# KiCad board pcb.kicad_pcb (continued)
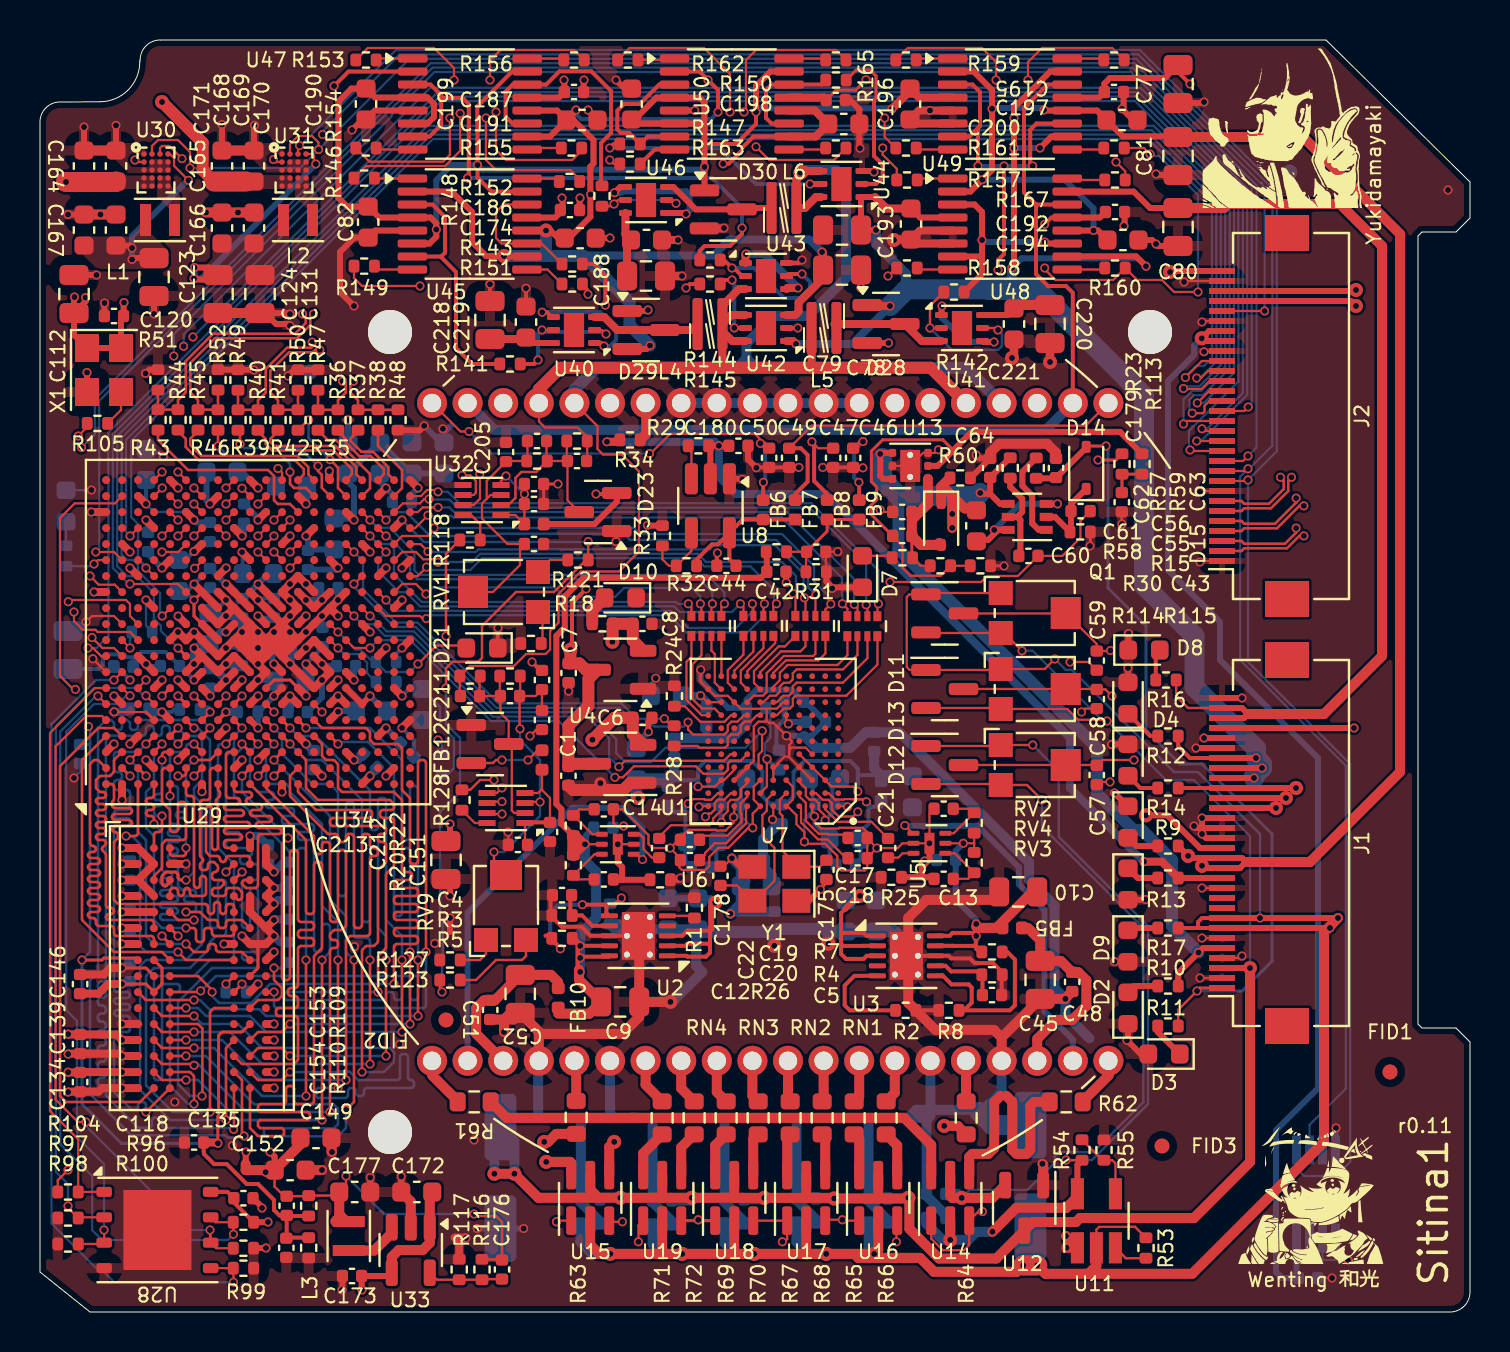
[diagram p0: board, top side]
## Routing (per net, layer and track width the routed paths; a pad name or vN(x,y) marks a point on that pad's centre or on a via; arc(x,y) is an arc through that point) (continued)
  Bottom w0.15: v1(9.69,9.13) 9.69,9.22 9.69,9.23
/fpga_ddr/DRAM_BA0: length 41.4
  Top w0.127: v1(16.5,12.4) v1(16.5,17.6) ; 5.7,14.4 6.07,14.03 arc(6.1,14.01) 6.14,14 v1(7.7,14)
  Top w0.15: v1(11.7,29.2) 11.3,29.6
  Bottom w0.127: v1(11.7,29.2) 12.07,28.83 arc(12.09,28.8) 12.1,28.76 12.1,27.92 13.62,26.4 14.46,26.4 arc(14.5,26.39) 14.53,26.37 14.87,26.03 arc(14.89,26) 14.9,25.96 14.9,20.94 arc(14.91,20.9) 14.93,20.87 14.97,20.83 arc(15,20.81) 15.04,20.8 15.16,20.8 arc(15.2,20.81) 15.23,20.83 15.27,20.87 arc(15.29,20.9) 15.3,20.94 15.3,25.36 arc(15.31,25.4) 15.33,25.43 15.37,25.47 arc(15.4,25.49) 15.44,25.5 15.56,25.5 arc(15.6,25.49) 15.63,25.47 15.67,25.43 arc(15.69,25.4) 15.7,25.36 15.7,18.84 arc(15.71,18.8) 15.73,18.77 15.77,18.73 arc(15.8,18.71) 15.84,18.7 16.36,18.7 arc(16.4,18.69) 16.43,18.67 16.47,18.63 arc(16.49,18.6) 16.5,18.56 v1(16.5,17.6) ; v1(7.7,14) 9.46,14 arc(9.5,13.99) 9.53,13.97 11.07,12.43 arc(11.1,12.41) 11.14,12.4 v1(16.5,12.4)
/fpga_ddr/DRAM_BA1: length 32.4
  Top w0.127: 10.5,13.6 10.87,13.97 arc(10.9,13.99) 10.94,14 12.06,14 arc(12.1,14.01) 12.13,14.03 v1(12.5,14.4) ; v1(18.5,14.4) v1(18.5,18)
  Top w0.15: 14.5,28.8 v1(14.9,28.4)
  Bottom w0.127: v1(18.5,18) 18.5,23.06 arc(18.49,23.1) 18.47,23.13 18.43,23.17 arc(18.4,23.19) 18.36,23.2 18.24,23.2 arc(18.2,23.19) 18.17,23.17 18.13,23.13 arc(18.11,23.1) 18.1,23.06 18.1,19.94 arc(18.09,19.9) 18.07,19.87 18.03,19.83 arc(18,19.81) 17.96,19.8 17.84,19.8 arc(17.8,19.81) 17.77,19.83 17.73,19.87 arc(17.71,19.9) 17.7,19.94 17.7,27.2 16.4,28.5 15,28.5 v1(14.9,28.4) ; v1(18.5,14.4) v1(12.5,14.4)
/fpga_ddr/DRAM_BA2: length 38.2
  Top w0.127: 6.5,14.4 7.9,14.4 8.12,14.18 8.12,10.82 v1(8.1,10.8)
  Top w0.15: 9.7,29.6 v1(10.1,29.2)
  Bottom w0.127: v1(8.1,10.8) 7.54,10.8 arc(7.5,10.81) 7.47,10.83 6.93,11.37 arc(6.91,11.4) 6.9,11.44 6.9,15.5 8.6,17.2 10.76,17.2 arc(10.8,17.21) 10.83,17.23 10.87,17.27 arc(10.89,17.3) 10.9,17.34 10.9,17.46 arc(10.89,17.5) 10.87,17.53 10.83,17.57 arc(10.8,17.59) 10.76,17.6 10.24,17.6 arc(10.2,17.61) 10.17,17.63 10.13,17.67 arc(10.11,17.7) 10.1,17.74 10.1,17.86 arc(10.11,17.9) 10.13,17.93 10.17,17.97 arc(10.2,17.99) 10.24,18 10.76,18 arc(10.8,18.01) 10.83,18.03 10.87,18.07 arc(10.89,18.1) 10.9,18.14 10.9,21.06 arc(10.89,21.1) 10.87,21.13 10.83,21.17 arc(10.8,21.19) 10.76,21.2 10.64,21.2 arc(10.6,21.19) 10.57,21.17 10.53,21.13 arc(10.51,21.1) 10.5,21.06 10.5,19.34 arc(10.49,19.3) 10.47,19.27 10.43,19.23 arc(10.4,19.21) 10.36,19.2 10.24,19.2 arc(10.2,19.21) 10.17,19.23 10.13,19.27 arc(10.11,19.3) 10.1,19.34 10.1,21.46 arc(10.11,21.5) 10.13,21.53 10.17,21.57 arc(10.2,21.59) 10.24,21.6 10.76,21.6 arc(10.8,21.61) 10.83,21.63 10.87,21.67 arc(10.89,21.7) 10.9,21.74 10.9,22.26 arc(10.89,22.3) 10.87,22.33 10.83,22.37 arc(10.8,22.39) 10.76,22.4 10.14,22.4 arc(10.1,22.41) 10.07,22.43 10.03,22.47 arc(10.01,22.5) 10,22.54 10,22.66 arc(10.01,22.7) 10.03,22.73 10.07,22.77 arc(10.1,22.79) 10.14,22.8 10.46,22.8 arc(10.5,22.81) 10.53,22.83 10.57,22.87 arc(10.59,22.9) 10.6,22.94 10.6,23.06 arc(10.59,23.1) 10.57,23.13 10.53,23.17 arc(10.5,23.19) 10.46,23.2 9.44,23.2 arc(9.4,23.21) 9.37,23.23 9.33,23.27 arc(9.31,23.3) 9.3,23.34 9.3,23.46 arc(9.31,23.5) 9.33,23.53 9.37,23.57 arc(9.4,23.59) 9.44,23.6 9.86,23.6 arc(9.9,23.61) 9.93,23.63 9.97,23.67 arc(9.99,23.7) 10,23.74 10,23.86 arc(9.99,23.9) 9.97,23.93 9.93,23.97 arc(9.9,23.99) 9.86,24 9.44,24 arc(9.4,24.01) 9.37,24.03 9.33,24.07 arc(9.31,24.1) 9.3,24.14 9.3,27.76 arc(9.31,27.8) 9.33,27.83 9.67,28.17 arc(9.69,28.2) 9.7,28.24 9.7,28.76 arc(9.71,28.8) 9.73,28.83 v1(10.1,29.2)
/fpga_ddr/DRAM_CASB: length 40.7
  Top w0.127: 6.5,16 7.98,16 v1(8.03,16.06) ; 13.7,29.6 14.07,29.23 arc(14.1,29.21) 14.14,29.2 16.26,29.2 arc(16.3,29.19) 16.33,29.17 16.47,29.03 arc(16.49,29) 16.5,28.96 16.5,28.64 arc(16.51,28.6) 16.53,28.57 16.67,28.43 arc(16.7,28.41) 16.74,28.4 17.86,28.4 arc(17.9,28.39) 17.93,28.37 18.07,28.23 arc(18.09,28.2) 18.1,28.16 18.1,26.14 arc(18.11,26.1) 18.13,26.07 18.47,25.73 arc(18.49,25.7) 18.5,25.66 18.5,22.54 arc(18.51,22.5) 18.53,22.47 18.57,22.43 arc(18.6,22.41) 18.64,22.4 18.76,22.4 arc(18.8,22.41) 18.83,22.43 18.87,22.47 arc(18.89,22.5) 18.9,22.54 18.9,27.46 arc(18.91,27.5) 18.93,27.53 18.97,27.57 arc(19,27.59) 19.04,27.6 19.16,27.6 arc(19.2,27.59) 19.23,27.57 19.27,27.53 arc(19.29,27.5) 19.3,27.46 v1(19.3,18)
  Bottom w0.127: v1(19.3,18) 19.3,16.94 arc(19.29,16.9) 19.27,16.87 19.23,16.83 arc(19.2,16.81) 19.16,16.8 8.8,16.8 8.06,16.06 v1(8.03,16.06)
/fpga_ddr/DRAM_CKE: length 41.5
  Top w0.127: 12.9,28 13.27,27.63 arc(13.29,27.6) 13.3,27.56 13.3,26.24 arc(13.31,26.2) 13.33,26.17 13.87,25.63 arc(13.9,25.61) 13.94,25.6 17.46,25.6 arc(17.5,25.59) 17.53,25.57 17.67,25.43 arc(17.69,25.4) 17.7,25.36 17.7,25.24 arc(17.69,25.2) 17.67,25.17 17.63,25.13 arc(17.6,25.11) 17.56,25.1 17.14,25.1 arc(17.1,25.09) 17.07,25.07 17.03,25.03 arc(17.01,25) 17,24.96 17,24.84 arc(17.01,24.8) 17.03,24.77 17.07,24.73 arc(17.1,24.71) 17.14,24.7 17.56,24.7 arc(17.6,24.69) 17.63,24.67 17.67,24.63 arc(17.69,24.6) 17.7,24.56 17.7,22.34 arc(17.69,22.3) 17.67,22.27 17.33,21.93 arc(17.31,21.9) 17.3,21.86 17.3,18.24 arc(17.29,18.2) 17.27,18.17 16.93,17.83 arc(16.91,17.8) 16.9,17.76 v1(16.9,16)
  Top w0.15: 11.3,16 v1(11.7,16)
  Bottom w0.127: v1(11.7,16) 11.7,15.34 arc(11.71,15.3) 11.73,15.27 11.77,15.23 arc(11.8,15.21) 11.84,15.2 19.16,15.2 arc(19.2,15.21) 19.23,15.23 19.27,15.27 arc(19.29,15.3) 19.3,15.34 19.3,16.16 arc(19.29,16.2) 19.27,16.23 19.23,16.27 arc(19.2,16.29) 19.16,16.3 19.04,16.3 arc(19,16.29) 18.97,16.27 18.93,16.23 arc(18.91,16.2) 18.9,16.16 18.9,15.74 arc(18.89,15.7) 18.87,15.67 18.83,15.63 arc(18.8,15.61) 18.76,15.6 18.64,15.6 arc(18.6,15.61) 18.57,15.63 18.53,15.67 arc(18.51,15.7) 18.5,15.74 18.5,16.16 arc(18.49,16.2) 18.47,16.23 18.43,16.27 arc(18.4,16.29) 18.36,16.3 18.24,16.3 arc(18.2,16.29) 18.17,16.27 18.13,16.23 arc(18.11,16.2) 18.1,16.16 18.1,15.74 arc(18.09,15.7) 18.07,15.67 18.03,15.63 arc(18,15.61) 17.96,15.6 17.84,15.6 arc(17.8,15.61) 17.77,15.63 17.73,15.67 arc(17.71,15.7) 17.7,15.74 17.7,15.86 arc(17.69,15.9) 17.67,15.93 17.63,15.97 arc(17.6,15.99) 17.56,16 17.44,16 arc(17.4,15.99) 17.37,15.97 17.33,15.93 arc(17.31,15.9) 17.3,15.86 17.3,15.74 arc(17.29,15.7) 17.27,15.67 17.23,15.63 arc(17.2,15.61) 17.16,15.6 12.34,15.6 arc(12.3,15.61) 12.27,15.63 12.23,15.67 arc(12.21,15.7) 12.2,15.74 12.2,15.86 arc(12.21,15.9) 12.23,15.93 12.27,15.97 arc(12.3,15.99) 12.34,16 v1(16.9,16)
/fpga_ddr/DRAM_CKN: length 38.1
  Top w0.15: 9.7,16 v1(10.1,16.4) ; 12.1,27.2 v1(11.7,26.8)
  In2.Cu w0.127: v1(11.7,26.8) 11.44,26.8 arc(11.4,26.79) 11.37,26.77 11.33,26.73 arc(11.31,26.7) 11.3,26.66 11.3,26.14 arc(11.31,26.1) 11.33,26.07 11.37,26.03 arc(11.4,26.01) 11.44,26 11.56,26 arc(11.6,26.01) 11.63,26.03 11.67,26.07 arc(11.69,26.1) 11.7,26.14 11.7,26.26 arc(11.71,26.3) 11.73,26.33 11.77,26.37 arc(11.8,26.39) 11.84,26.4 11.96,26.4 arc(12,26.41) 12.03,26.43 12.07,26.47 arc(12.09,26.5) 12.1,26.54 12.1,26.7 arc(12.11,26.74) 12.13,26.77 12.13,26.85 12.76,27.49 14.9,27.49 15.9,28.49 17.81,28.49 18,28.3 18.3,28.3 18.49,28.49 18.75,28.49 19.76,27.48 arc(19.78,27.45) 19.79,27.41 19.79,27.23 arc(19.78,27.19) 19.76,27.16 19.63,27.03 arc(19.61,27) 19.6,26.96 19.6,26.84 arc(19.61,26.8) 19.63,26.77 19.76,26.64 arc(19.78,26.61) 19.79,26.57 19.79,19.51 20.37,18.92 20.37,17.27 16.81,13.71 13,13.71 arc(12.96,13.72) 12.93,13.74 12.72,13.96 arc(12.68,13.98) 12.65,13.99 12.63,14 11.53,14 11.27,13.74 arc(11.24,13.72) 11.2,13.71 10.19,13.71 arc(10.15,13.72) 10.12,13.74 9.84,14.02 arc(9.82,14.05) 9.81,14.09 9.81,14.17 arc(9.82,14.21) 9.84,14.24 9.97,14.37 arc(9.99,14.4) 10,14.44 10,14.56 arc(9.99,14.6) 9.97,14.63 9.84,14.76 arc(9.82,14.79) 9.81,14.83 9.81,16.07 arc(9.82,16.11) 9.84,16.14 v1(10.1,16.4)
/fpga_ddr/DRAM_CKP: length 37.7
  Top w0.15: 9.7,16.8 v1(9.3,16.4) ; 11.3,27.2 v1(10.9,26.8)
  In2.Cu w0.127: v1(10.9,26.8) 11.26,27.16 11.27,27.17 11.31,27.19 11.33,27.19 11.85,27.19 11.86,27.19 11.9,27.17 11.96,27.11 11.98,27.1 12.02,27.08 12.04,27.08 12.67,27.71 14.81,27.71 15.81,28.71 18.85,28.71 20.01,27.55 20.01,19.6 20.6,19.01 20.6,17.18 16.91,13.49 13,13.49 12.98,13.49 12.95,13.47 12.93,13.46 12.72,13.24 12.7,13.23 12.66,13.21 12.65,13.21 12.63,13.2 11.53,13.2 11.27,13.46 11.25,13.47 11.22,13.49 11.2,13.49 10.09,13.49 10.07,13.49 10.04,13.5 10.02,13.51 9.61,13.92 9.6,13.94 9.59,13.97 9.59,13.99 9.59,16.07 9.59,16.09 9.57,16.13 9.56,16.14 v1(9.3,16.4)
/fpga_ddr/DRAM_CSB: length 38.5
  Top w0.127: 12.9,26.4 12.9,26.04 arc(12.91,26) 12.93,25.97 13.77,25.13 arc(13.8,25.11) 13.84,25.1 16.46,25.1 arc(16.5,25.09) 16.53,25.07 16.57,25.03 arc(16.59,25) 16.6,24.96 16.6,24.84 arc(16.59,24.8) 16.57,24.77 16.53,24.73 arc(16.5,24.71) 16.46,24.7 14.64,24.7 arc(14.6,24.69) 14.57,24.67 14.53,24.63 arc(14.51,24.6) 14.5,24.56 14.5,24.44 arc(14.51,24.4) 14.53,24.37 14.57,24.33 arc(14.6,24.31) 14.64,24.3 17.16,24.3 arc(17.2,24.29) 17.23,24.27 17.27,24.23 arc(17.29,24.2) 17.3,24.16 17.3,24.04 arc(17.29,24) 17.27,23.97 17.23,23.93 arc(17.2,23.91) 17.16,23.9 17.04,23.9 arc(17,23.89) 16.97,23.87 16.93,23.83 arc(16.91,23.8) 16.9,23.76 16.9,23.64 arc(16.91,23.6) 16.93,23.57 16.97,23.53 arc(17,23.51) 17.04,23.5 17.16,23.5 arc(17.2,23.49) 17.23,23.47 17.27,23.43 arc(17.29,23.4) 17.3,23.36 17.3,22.54 arc(17.29,22.5) 17.27,22.47 16.93,22.13 arc(16.91,22.1) 16.9,22.06 16.9,18.54 arc(16.89,18.5) 16.87,18.47 16.73,18.33 arc(16.7,18.31) 16.66,18.3 16.34,18.3 arc(16.3,18.29) 16.27,18.27 16.13,18.13 arc(16.11,18.1) 16.1,18.06 v1(16.1,12) ; 5.7,15.2 6.07,14.83 arc(6.1,14.81) 6.14,14.8 v1(7.7,14.8)
  Bottom w0.127: v1(7.7,14.8) 8.07,14.43 arc(8.1,14.41) 8.14,14.4 9.86,14.4 arc(9.9,14.39) 9.93,14.37 11.07,13.23 arc(11.1,13.21) 11.14,13.2 17.46,13.2 arc(17.5,13.19) 17.53,13.17 17.67,13.03 arc(17.69,13) 17.7,12.96 17.7,12.54 arc(17.69,12.5) 17.67,12.47 17.23,12.03 arc(17.2,12.01) 17.16,12 v1(16.1,12)
/fpga_ddr/DRAM_DATA0: length 15.9
  Top w0.127: 4.9,28 v1(4.5,27.6) ; v1(7.3,18.4) 7.67,18.03 arc(7.7,18.01) 7.74,18 8.26,18 arc(8.3,18.01) 8.33,18.03 8.37,18.07 arc(8.39,18.1) 8.4,18.14 8.4,18.26 arc(8.41,18.3) 8.43,18.33 8.47,18.37 arc(8.5,18.39) 8.54,18.4 8.66,18.4 arc(8.7,18.39) 8.73,18.37 8.77,18.33 arc(8.79,18.3) 8.8,18.26 8.8,18.14 arc(8.81,18.1) 8.83,18.07 8.87,18.03 arc(8.9,18.01) 8.94,18 10.06,18 arc(10.1,17.99) 10.13,17.97 10.5,17.6
  Bottom w0.127: v1(7.3,18.4) 5.74,18.4 arc(5.7,18.41) 5.67,18.43 5.33,18.77 arc(5.31,18.8) 5.3,18.84 5.3,23.56 arc(5.29,23.6) 5.27,23.63 4.93,23.97 arc(4.91,24) 4.9,24.04 4.9,27.16 arc(4.89,27.2) 4.87,27.23 v1(4.5,27.6)
/fpga_ddr/DRAM_DATA1: length 15.8
  Top w0.127: 4.1,28 3.73,27.63 arc(3.71,27.6) 3.7,27.56 3.7,27.04 arc(3.69,27) 3.67,26.97 3.53,26.83 arc(3.5,26.81) 3.46,26.8 3.04,26.8 arc(3,26.79) 2.97,26.77 2.83,26.63 arc(2.81,26.6) 2.8,26.56 2.8,26.24 arc(2.81,26.2) 2.83,26.17 2.97,26.03 arc(3,26.01) 3.04,26 3.16,26 arc(3.2,25.99) 3.23,25.97 3.27,25.93 arc(3.29,25.9) 3.3,25.86 3.3,25.84 arc(3.29,25.8) 3.27,25.77 3.23,25.73 arc(3.2,25.71) 3.16,25.7 2.94,25.7 arc(2.9,25.69) 2.87,25.67 2.83,25.63 arc(2.81,25.6) 2.8,25.56 2.8,25.54 arc(2.81,25.5) 2.83,25.47 2.87,25.43 arc(2.9,25.41) 2.94,25.4 3.16,25.4 arc(3.2,25.39) 3.23,25.37 3.27,25.33 arc(3.29,25.3) 3.3,25.26 3.3,25.24 arc(3.29,25.2) 3.27,25.17 3.23,25.13 arc(3.2,25.11) 3.16,25.1 2.94,25.1 arc(2.9,25.09) 2.87,25.07 2.83,25.03 arc(2.81,25) 2.8,24.96 2.8,24.94 arc(2.81,24.9) 2.83,24.87 2.87,24.83 arc(2.9,24.81) 2.94,24.8 3.16,24.8 arc(3.2,24.79) 3.23,24.77 3.27,24.73 arc(3.29,24.7) 3.3,24.66 3.3,24.64 arc(3.29,24.6) 3.27,24.57 3.23,24.53 arc(3.2,24.51) 3.16,24.5 2.94,24.5 arc(2.9,24.49) 2.87,24.47 2.83,24.43 arc(2.81,24.4) 2.8,24.36 2.8,24.34 arc(2.81,24.3) 2.83,24.27 2.87,24.23 arc(2.9,24.21) 2.94,24.2 3.16,24.2 arc(3.2,24.19) 3.23,24.17 3.27,24.13 arc(3.29,24.1) 3.3,24.06 3.3,24.04 arc(3.29,24) 3.27,23.97 3.23,23.93 arc(3.2,23.91) 3.16,23.9 2.94,23.9 arc(2.9,23.89) 2.87,23.87 2.83,23.83 arc(2.81,23.8) 2.8,23.76 2.8,23.74 arc(2.81,23.7) 2.83,23.67 2.87,23.63 arc(2.9,23.61) 2.94,23.6 3.16,23.6 arc(3.2,23.59) 3.23,23.57 3.27,23.53 arc(3.29,23.5) 3.3,23.46 3.3,23.44 arc(3.29,23.4) 3.27,23.37 3.13,23.23 arc(3.11,23.2) 3.1,23.16 3.1,23.14 arc(3.11,23.1) 3.13,23.07 3.27,22.93 arc(3.29,22.9) 3.3,22.86 3.3,20.34 arc(3.31,20.3) 3.33,20.27 3.37,20.23 arc(3.4,20.21) 3.44,20.2 3.56,20.2 arc(3.6,20.19) 3.63,20.17 3.67,20.13 arc(3.69,20.1) 3.7,20.06 3.7,20.04 arc(3.69,20) 3.67,19.97 3.63,19.93 arc(3.6,19.91) 3.56,19.9 3.44,19.9 arc(3.4,19.89) 3.37,19.87 3.33,19.83 arc(3.31,19.8) 3.3,19.76 3.3,19.74 arc(3.31,19.7) 3.33,19.67 3.37,19.63 arc(3.4,19.61) 3.44,19.6 5.56,19.6 arc(5.6,19.59) 5.63,19.57 5.67,19.53 arc(5.69,19.5) 5.7,19.46 5.7,19.2
/fpga_ddr/DRAM_DATA2: length 18
  Top w0.127: 5.7,18.4 5.7,18.66 arc(5.69,18.7) 5.67,18.73 5.63,18.77 arc(5.6,18.79) 5.56,18.8 3.84,18.8 arc(3.8,18.81) 3.77,18.83 3.73,18.87 arc(3.71,18.9) 3.7,18.94 3.7,19.16 arc(3.69,19.2) 3.67,19.23 3.63,19.27 arc(3.6,19.29) 3.56,19.3 2.94,19.3 arc(2.9,19.31) 2.87,19.33 2.83,19.37 arc(2.81,19.4) 2.8,19.44 2.8,19.56 arc(2.79,19.6) 2.77,19.63 2.73,19.67 arc(2.7,19.69) 2.66,19.7 2.54,19.7 arc(2.5,19.71) 2.47,19.73 2.43,19.77 arc(2.41,19.8) 2.4,19.84 2.4,19.86 arc(2.41,19.9) 2.43,19.93 2.47,19.97 arc(2.5,19.99) 2.54,20 2.86,20 arc(2.9,20.01) 2.93,20.03 2.97,20.07 arc(2.99,20.1) 3,20.14 3,20.16 arc(2.99,20.2) 2.97,20.23 2.93,20.27 arc(2.9,20.29) 2.86,20.3 2.54,20.3 arc(2.5,20.31) 2.47,20.33 2.43,20.37 arc(2.41,20.4) 2.4,20.44 2.4,20.46 arc(2.41,20.5) 2.43,20.53 2.47,20.57 arc(2.5,20.59) 2.54,20.6 2.86,20.6 arc(2.9,20.61) 2.93,20.63 2.97,20.67 arc(2.99,20.7) 3,20.74 3,20.76 arc(2.99,20.8) 2.97,20.83 2.93,20.87 arc(2.9,20.89) 2.86,20.9 2.54,20.9 arc(2.5,20.91) 2.47,20.93 2.43,20.97 arc(2.41,21) 2.4,21.04 2.4,21.06 arc(2.41,21.1) 2.43,21.13 2.47,21.17 arc(2.5,21.19) 2.54,21.2 2.86,21.2 arc(2.9,21.21) 2.93,21.23 2.97,21.27 arc(2.99,21.3) 3,21.34 3,21.36 arc(2.99,21.4) 2.97,21.43 2.93,21.47 arc(2.9,21.49) 2.86,21.5 2.54,21.5 arc(2.5,21.51) 2.47,21.53 2.43,21.57 arc(2.41,21.6) 2.4,21.64 2.4,21.66 arc(2.41,21.7) 2.43,21.73 2.47,21.77 arc(2.5,21.79) 2.54,21.8 2.86,21.8 arc(2.9,21.81) 2.93,21.83 2.97,21.87 arc(2.99,21.9) 3,21.94 3,21.96 arc(2.99,22) 2.97,22.03 2.93,22.07 arc(2.9,22.09) 2.86,22.1 2.54,22.1 arc(2.5,22.11) 2.47,22.13 2.43,22.17 arc(2.41,22.2) 2.4,22.24 2.4,22.26 arc(2.41,22.3) 2.43,22.33 2.47,22.37 arc(2.5,22.39) 2.54,22.4 2.86,22.4 arc(2.9,22.41) 2.93,22.43 2.97,22.47 arc(2.99,22.5) 3,22.54 3,22.56 arc(2.99,22.6) 2.97,22.63 2.93,22.67 arc(2.9,22.69) 2.86,22.7 2.54,22.7 arc(2.5,22.71) 2.47,22.73 2.43,22.77 arc(2.41,22.8) 2.4,22.84 2.4,22.86 arc(2.41,22.9) 2.43,22.93 2.47,22.97 arc(2.5,22.99) 2.54,23 2.66,23 arc(2.7,23.01) 2.73,23.03 2.77,23.07 arc(2.79,23.1) 2.8,23.14 2.8,23.16 arc(2.79,23.2) 2.77,23.23 2.73,23.27 arc(2.7,23.29) 2.66,23.3 2.64,23.3 arc(2.6,23.31) 2.57,23.33 2.53,23.37 arc(2.51,23.4) 2.5,23.44 2.5,27.36 arc(2.51,27.4) 2.53,27.43 2.67,27.57 arc(2.7,27.59) 2.74,27.6 2.86,27.6 arc(2.9,27.59) 2.93,27.57 3.3,27.2
/fpga_ddr/DRAM_DATA3: length 14.9
  Top w0.127: 6.5,17.6 6.13,17.97 arc(6.1,17.99) 6.06,18 3.74,18 arc(3.7,18.01) 3.67,18.03 2.13,19.57 arc(2.11,19.6) 2.1,19.64 2.1,27.56 arc(2.11,27.6) 2.13,27.63 3.3,28.8
/fpga_ddr/DRAM_DATA4: length 15.7
  Top w0.127: v1(7.3,19.2) 7.66,19.2 arc(7.7,19.19) 7.73,19.17 7.77,19.13 arc(7.79,19.1) 7.8,19.06 7.8,18.64 arc(7.81,18.6) 7.83,18.57 7.87,18.53 arc(7.9,18.51) 7.94,18.5 8.06,18.5 arc(8.1,18.51) 8.13,18.53 8.17,18.57 arc(8.19,18.6) 8.2,18.64 8.2,19.06 arc(8.21,19.1) 8.23,19.13 8.27,19.17 arc(8.3,19.19) 8.34,19.2 8.46,19.2 arc(8.5,19.19) 8.53,19.17 8.57,19.13 arc(8.59,19.1) 8.6,19.06 8.6,18.94 arc(8.61,18.9) 8.63,18.87 8.67,18.83 arc(8.7,18.81) 8.74,18.8 9.56,18.8 arc(9.6,18.81) 9.63,18.83 9.67,18.87 arc(9.69,18.9) 9.7,18.94 9.7,19.2 ; 5.7,28 v1(6.1,28.4)
  Bottom w0.127: v1(7.3,19.2) 6.14,19.2 arc(6.1,19.21) 6.07,19.23 5.73,19.57 arc(5.71,19.6) 5.7,19.64 5.7,23.76 arc(5.69,23.8) 5.67,23.83 5.33,24.17 arc(5.31,24.2) 5.3,24.24 5.3,25.96 arc(5.31,26) 5.33,26.03 5.67,26.37 arc(5.69,26.4) 5.7,26.44 5.7,27.96 arc(5.71,28) 5.73,28.03 v1(6.1,28.4)
/fpga_ddr/DRAM_DATA5: length 15.8
  Top w0.127: v1(5.7,24.4) 5.7,24.66 arc(5.69,24.7) 5.67,24.73 5.63,24.77 arc(5.6,24.79) 5.56,24.8 5.44,24.8 arc(5.4,24.81) 5.37,24.83 5.33,24.87 arc(5.31,24.9) 5.3,24.94 5.3,24.96 arc(5.31,25) 5.33,25.03 5.37,25.07 arc(5.4,25.09) 5.44,25.1 5.56,25.1 arc(5.6,25.11) 5.63,25.13 5.67,25.17 arc(5.69,25.2) 5.7,25.24 5.7,25.26 arc(5.69,25.3) 5.67,25.33 5.63,25.37 arc(5.6,25.39) 5.56,25.4 5.44,25.4 arc(5.4,25.41) 5.37,25.43 5.33,25.47 arc(5.31,25.5) 5.3,25.54 5.3,25.56 arc(5.31,25.6) 5.33,25.63 5.37,25.67 arc(5.4,25.69) 5.44,25.7 5.56,25.7 arc(5.6,25.71) 5.63,25.73 5.67,25.77 arc(5.69,25.8) 5.7,25.84 5.7,26.4 ; v1(7.7,19.6) 6.94,19.6 arc(6.9,19.61) 6.87,19.63 6.5,20
  Bottom w0.127: v1(5.7,24.4) 6.07,24.03 arc(6.09,24) 6.1,23.96 6.1,22.14 arc(6.11,22.1) 6.13,22.07 6.17,22.03 arc(6.2,22.01) 6.24,22 6.46,22 arc(6.5,21.99) 6.53,21.97 6.57,21.93 arc(6.59,21.9) 6.6,21.86 6.6,21.84 arc(6.59,21.8) 6.57,21.77 6.53,21.73 arc(6.5,21.71) 6.46,21.7 6.14,21.7 arc(6.1,21.69) 6.07,21.67 6.03,21.63 arc(6.01,21.6) 6,21.56 6,21.54 arc(6.01,21.5) 6.03,21.47 6.07,21.43 arc(6.1,21.41) 6.14,21.4 6.46,21.4 arc(6.5,21.39) 6.53,21.37 6.57,21.33 arc(6.59,21.3) 6.6,21.26 6.6,21.24 arc(6.59,21.2) 6.57,21.17 6.53,21.13 arc(6.5,21.11) 6.46,21.1 6.14,21.1 arc(6.1,21.09) 6.07,21.07 6.03,21.03 arc(6.01,21) 6,20.96 6,20.94 arc(6.01,20.9) 6.03,20.87 6.07,20.83 arc(6.1,20.81) 6.14,20.8 6.76,20.8 arc(6.8,20.79) 6.83,20.77 6.87,20.73 arc(6.89,20.7) 6.9,20.66 6.9,20.64 arc(6.89,20.6) 6.87,20.57 6.83,20.53 arc(6.8,20.51) 6.76,20.5 6.14,20.5 arc(6.1,20.49) 6.07,20.47 6.03,20.43 arc(6.01,20.4) 6,20.36 6,20.34 arc(6.01,20.3) 6.03,20.27 6.07,20.23 arc(6.1,20.21) 6.14,20.2 6.76,20.2 arc(6.8,20.19) 6.83,20.17 6.87,20.13 arc(6.89,20.1) 6.9,20.06 6.9,20.04 arc(6.89,20) 6.87,19.97 6.83,19.93 arc(6.8,19.91) 6.76,19.9 6.14,19.9 arc(6.1,19.89) 6.07,19.87 6.03,19.83 arc(6.01,19.8) 6,19.76 6,19.74 arc(6.01,19.7) 6.03,19.67 6.07,19.63 arc(6.1,19.61) 6.14,19.6 v1(7.7,19.6)
/fpga_ddr/DRAM_DATA6: length 14.1
  Top w0.127: v1(6.9,18) 7.27,17.63 arc(7.3,17.61) 7.34,17.6 9.7,17.6 ; v1(4.3,23.8) 4.76,23.8 arc(4.8,23.81) 4.83,23.83 4.87,23.87 arc(4.89,23.9) 4.9,23.94 4.9,26.4
  Bottom w0.127: v1(6.9,18) 5.34,18 arc(5.3,18.01) 5.27,18.03 5,18.3 5,23.4 4.63,23.77 4.53,23.77 arc(4.5,23.79) 4.46,23.8 v1(4.3,23.8)
/fpga_ddr/DRAM_DATA7: length 15.4
  Top w0.127: v1(7.3,20) 7.96,20 arc(8,19.99) 8.03,19.97 8.37,19.63 arc(8.4,19.61) 8.44,19.6 8.76,19.6 arc(8.8,19.59) 8.83,19.57 8.87,19.53 arc(8.89,19.5) 8.9,19.46 8.9,19.34 arc(8.91,19.3) 8.93,19.27 8.97,19.23 arc(9,19.21) 9.04,19.2 9.16,19.2 arc(9.2,19.21) 9.23,19.23 9.27,19.27 arc(9.29,19.3) 9.3,19.34 9.3,19.46 arc(9.31,19.5) 9.33,19.53 9.37,19.57 arc(9.4,19.59) 9.44,19.6 10.06,19.6 arc(10.1,19.59) 10.13,19.57 10.5,19.2 ; 6.5,26.4 v1(6.5,25.8)
  Bottom w0.127: v1(6.5,25.8) 6.5,24.54 arc(6.51,24.5) 6.53,24.47 6.57,24.43 arc(6.6,24.41) 6.64,24.4 6.86,24.4 arc(6.9,24.39) 6.93,24.37 6.97,24.33 arc(6.99,24.3) 7,24.26 7,24.24 arc(6.99,24.2) 6.97,24.17 6.93,24.13 arc(6.9,24.11) 6.86,24.1 6.54,24.1 arc(6.5,24.09) 6.47,24.07 6.43,24.03 arc(6.41,24) 6.4,23.96 6.4,23.94 arc(6.41,23.9) 6.43,23.87 6.47,23.83 arc(6.5,23.81) 6.54,23.8 6.86,23.8 arc(6.9,23.79) 6.93,23.77 6.97,23.73 arc(6.99,23.7) 7,23.66 7,23.64 arc(6.99,23.6) 6.97,23.57 6.93,23.53 arc(6.9,23.51) 6.86,23.5 6.54,23.5 arc(6.5,23.49) 6.47,23.47 6.43,23.43 arc(6.41,23.4) 6.4,23.36 6.4,23.34 arc(6.41,23.3) 6.43,23.27 6.47,23.23 arc(6.5,23.21) 6.54,23.2 6.76,23.2 arc(6.8,23.19) 6.83,23.17 6.87,23.13 arc(6.89,23.1) 6.9,23.06 6.9,23.04 arc(6.89,23) 6.87,22.97 6.83,22.93 arc(6.8,22.91) 6.76,22.9 6.54,22.9 arc(6.5,22.89) 6.47,22.87 6.43,22.83 arc(6.41,22.8) 6.4,22.76 6.4,22.74 arc(6.41,22.7) 6.43,22.67 6.47,22.63 arc(6.5,22.61) 6.54,22.6 6.76,22.6 arc(6.8,22.59) 6.83,22.57 6.87,22.53 arc(6.89,22.5) 6.9,22.46 6.9,21.34 arc(6.91,21.3) 6.93,21.27 7.07,21.13 arc(7.1,21.11) 7.14,21.1 7.66,21.1 arc(7.7,21.09) 7.73,21.07 7.77,21.03 arc(7.79,21) 7.8,20.96 7.8,20.94 arc(7.79,20.9) 7.77,20.87 7.73,20.83 arc(7.7,20.81) 7.66,20.8 7.34,20.8 arc(7.3,20.79) 7.27,20.77 7.23,20.73 arc(7.21,20.7) 7.2,20.66 7.2,20.64 arc(7.21,20.6) 7.23,20.57 7.27,20.53 arc(7.3,20.51) 7.34,20.5 7.66,20.5 arc(7.7,20.49) 7.73,20.47 7.77,20.43 arc(7.79,20.4) 7.8,20.36 7.8,20.14 arc(7.79,20.1) 7.77,20.07 7.73,20.03 arc(7.7,20.01) 7.66,20 v1(7.3,20)
/fpga_ddr/DRAM_DATA8: length 10.8
  Top w0.127: 6.5,27.2 6.24,27.2 arc(6.2,27.19) 6.17,27.17 6.13,27.13 arc(6.11,27.1) 6.1,27.06 6.1,25.54 arc(6.11,25.5) 6.13,25.47 6.47,25.13 arc(6.49,25.1) 6.5,25.06 6.5,24.14 arc(6.51,24.1) 6.53,24.07 6.57,24.03 arc(6.6,24.01) 6.64,24 6.76,24 arc(6.8,24.01) 6.83,24.03 6.87,24.07 arc(6.89,24.1) 6.9,24.14 6.9,25.36 arc(6.91,25.4) 6.93,25.43 6.97,25.47 arc(7,25.49) 7.04,25.5 7.16,25.5 arc(7.2,25.49) 7.23,25.47 7.27,25.43 arc(7.29,25.4) 7.3,25.36 7.3,23.74 arc(7.29,23.7) 7.27,23.67 7.23,23.63 arc(7.2,23.61) 7.16,23.6 6.34,23.6 arc(6.3,23.59) 6.27,23.57 6.13,23.43 arc(6.11,23.4) 6.1,23.36 6.1,22.24 arc(6.09,22.2) 6.07,22.17 5.73,21.83 arc(5.71,21.8) 5.7,21.76 5.7,21.6
/fpga_ddr/DRAM_DATA9: length 6.5
  Top w0.127: 5.7,23.2 5.7,23.86 arc(5.71,23.9) 5.73,23.93 5.77,23.97 arc(5.8,23.99) 5.84,24 5.96,24 arc(6,24.01) 6.03,24.03 6.07,24.07 arc(6.09,24.1) 6.1,24.14 v1(6.1,24.8) ; v1(6.1,27.6) 6.1,27.86 arc(6.11,27.9) 6.13,27.93 6.17,27.97 arc(6.2,27.99) 6.24,28 6.5,28
  Bottom w0.127: v1(6.1,27.6) 6.1,26.04 arc(6.09,26) 6.07,25.97 6.03,25.93 arc(6,25.91) 5.96,25.9 5.84,25.9 arc(5.8,25.89) 5.77,25.87 5.73,25.83 arc(5.71,25.8) 5.7,25.76 5.7,25.74 arc(5.71,25.7) 5.73,25.67 5.77,25.63 arc(5.8,25.61) 5.84,25.6 5.96,25.6 arc(6,25.59) 6.03,25.57 6.07,25.53 arc(6.09,25.5) 6.1,25.46 6.1,25.44 arc(6.09,25.4) 6.07,25.37 6.03,25.33 arc(6,25.31) 5.96,25.3 5.84,25.3 arc(5.8,25.29) 5.77,25.27 5.73,25.23 arc(5.71,25.2) 5.7,25.16 5.7,24.94 arc(5.71,24.9) 5.73,24.87 5.77,24.83 arc(5.8,24.81) 5.84,24.8 v1(6.1,24.8)
/fpga_ddr/DRAM_DATA10: length 9.4
  Top w0.127: 6.5,23.2 6.5,22.94 arc(6.51,22.9) 6.53,22.87 6.57,22.83 arc(6.6,22.81) 6.64,22.8 7.16,22.8 arc(7.2,22.81) 7.23,22.83 7.27,22.87 arc(7.29,22.9) 7.3,22.94 v1(7.3,23.2) ; v1(7.7,28.4) 8.1,28
  Bottom w0.127: v1(7.3,23.2) 7.3,24.56 arc(7.29,24.6) 7.27,24.63 7.23,24.67 arc(7.2,24.69) 7.16,24.7 6.94,24.7 arc(6.9,24.71) 6.87,24.73 6.83,24.77 arc(6.81,24.8) 6.8,24.84 6.8,24.86 arc(6.81,24.9) 6.83,24.93 6.87,24.97 arc(6.9,24.99) 6.94,25 7.16,25 arc(7.2,25.01) 7.23,25.03 7.27,25.07 arc(7.29,25.1) 7.3,25.14 7.3,25.16 arc(7.29,25.2) 7.27,25.23 7.23,25.27 arc(7.2,25.29) 7.16,25.3 7.04,25.3 arc(7,25.31) 6.97,25.33 6.93,25.37 arc(6.91,25.4) 6.9,25.44 6.9,26.16 arc(6.89,26.2) 6.87,26.23 6.83,26.27 arc(6.8,26.29) 6.76,26.3 6.64,26.3 arc(6.6,26.31) 6.57,26.33 6.53,26.37 arc(6.51,26.4) 6.5,26.44 6.5,27.76 arc(6.51,27.8) 6.53,27.83 6.67,27.97 arc(6.7,27.99) 6.74,28 7.16,28 arc(7.2,28.01) 7.23,28.03 7.27,28.07 arc(7.29,28.1) 7.3,28.14 7.3,28.26 arc(7.31,28.3) 7.33,28.33 7.37,28.37 arc(7.4,28.39) 7.44,28.4 v1(7.7,28.4)
/fpga_ddr/DRAM_DATA11: length 10.3
  Top w0.127: 8.9,28 8.53,27.63 arc(8.5,27.61) 8.46,27.6 v1(7.7,27.6)
  Top w0.15: 6.5,21.5 6.33,21.33 arc(6.3,21.31) 6.26,21.3 6.24,21.3 arc(6.2,21.31) 6.17,21.33 6.13,21.37 arc(6.11,21.4) 6.1,21.44 6.1,21.76 arc(6.11,21.8) 6.13,21.83 6.27,21.97 arc(6.3,21.99) 6.34,22 6.76,22 arc(6.8,21.99) 6.83,21.97 6.87,21.93 arc(6.89,21.9) 6.9,21.86 6.9,21.74 arc(6.91,21.7) 6.93,21.67 6.97,21.63 arc(7,21.61) 7.04,21.6 v1(7.3,21.6)
  Bottom w0.127: v1(7.7,27.6) 7.33,27.23 7.32,27.22 7.3,27.18 7.3,27.18 7.3,25.56 7.7,25.16 7.7,22 v1(7.3,21.6)
/fpga_ddr/DRAM_DATA12: length 12.4
  Top w0.127: 9.7,28 9.44,28 arc(9.4,27.99) 9.37,27.97 9.33,27.93 arc(9.31,27.9) 9.3,27.86 9.3,25.84 arc(9.31,25.8) 9.33,25.77 9.37,25.73 arc(9.4,25.71) 9.44,25.7 9.86,25.7 arc(9.9,25.69) 9.93,25.67 9.97,25.63 arc(9.99,25.6) 10,25.56 10,25.54 arc(9.99,25.5) 9.97,25.47 9.93,25.43 arc(9.9,25.41) 9.86,25.4 9.34,25.4 arc(9.3,25.39) 9.27,25.37 9.23,25.33 arc(9.21,25.3) 9.2,25.26 9.2,25.24 arc(9.21,25.2) 9.23,25.17 9.27,25.13 arc(9.3,25.11) 9.34,25.1 10.06,25.1 arc(10.1,25.09) 10.13,25.07 10.17,25.03 arc(10.19,25) 10.2,24.96 10.2,24.94 arc(10.19,24.9) 10.17,24.87 10.13,24.83 arc(10.1,24.81) 10.06,24.8 9.34,24.8 arc(9.3,24.79) 9.27,24.77 9.23,24.73 arc(9.21,24.7) 9.2,24.66 9.2,24.64 arc(9.21,24.6) 9.23,24.57 9.27,24.53 arc(9.3,24.51) 9.34,24.5 10.36,24.5 arc(10.4,24.49) 10.43,24.47 10.47,24.43 arc(10.49,24.4) 10.5,24.36 10.5,24.34 arc(10.49,24.3) 10.47,24.27 10.43,24.23 arc(10.4,24.21) 10.36,24.2 9.34,24.2 arc(9.3,24.19) 9.27,24.17 9.23,24.13 arc(9.21,24.1) 9.2,24.06 9.2,24.04 arc(9.21,24) 9.23,23.97 9.27,23.93 arc(9.3,23.91) 9.34,23.9 9.96,23.9 arc(10,23.89) 10.03,23.87 10.07,23.83 arc(10.09,23.8) 10.1,23.76 10.1,23.74 arc(10.09,23.7) 10.07,23.67 10.03,23.63 arc(10,23.61) 9.96,23.6 9.34,23.6 arc(9.3,23.59) 9.27,23.57 9.23,23.53 arc(9.21,23.5) 9.2,23.46 9.2,23.34 arc(9.21,23.3) 9.23,23.27 9.27,23.23 arc(9.3,23.21) 9.34,23.2 9.7,23.2
/fpga_ddr/DRAM_DATA13: length 12.2
  Top w0.127: 8.9,27.2 8.64,27.2 arc(8.6,27.19) 8.57,27.17 8.53,27.13 arc(8.51,27.1) 8.5,27.06 8.5,25.74 arc(8.49,25.7) 8.47,25.67 8.43,25.63 arc(8.4,25.61) 8.36,25.6 8.14,25.6 arc(8.1,25.59) 8.07,25.57 8.03,25.53 arc(8.01,25.5) 8,25.46 8,22.84 arc(8.01,22.8) 8.03,22.77 8.13,22.67 arc(8.16,22.6) 8.13,22.53 8.03,22.43 arc(8.01,22.4) 8,22.36 8,22.24 arc(8.01,22.2) 8.03,22.17 8.07,22.13 arc(8.1,22.11) 8.14,22.1 8.26,22.1 arc(8.3,22.11) 8.33,22.13 8.37,22.17 arc(8.39,22.2) 8.4,22.24 8.4,22.36 arc(8.41,22.4) 8.43,22.43 8.47,22.47 arc(8.5,22.49) 8.54,22.5 8.66,22.5 arc(8.7,22.49) 8.73,22.47 8.87,22.33 arc(8.89,22.3) 8.9,22.26 8.9,22.14 arc(8.89,22.1) 8.87,22.07 8.83,22.03 arc(8.8,22.01) 8.76,22 8.74,22 arc(8.7,21.99) 8.67,21.97 8.63,21.93 arc(8.61,21.9) 8.6,21.86 8.6,21.74 arc(8.61,21.7) 8.63,21.67 8.67,21.63 arc(8.7,21.61) 8.74,21.6 9.06,21.6 arc(9.1,21.59) 9.13,21.57 9.17,21.53 arc(9.19,21.5) 9.2,21.46 9.2,21.44 arc(9.19,21.4) 9.17,21.37 9.03,21.23 arc(9,21.21) 8.96,21.2 8.74,21.2 arc(8.7,21.19) 8.67,21.17 8.63,21.13 arc(8.61,21.1) 8.6,21.06 8.6,20.94 arc(8.61,20.9) 8.63,20.87 8.67,20.83 arc(8.7,20.81) 8.74,20.8 9.16,20.8 arc(9.2,20.81) 9.23,20.83 9.27,20.87 arc(9.29,20.9) 9.3,20.94 9.3,21.06 arc(9.31,21.1) 9.33,21.13 9.37,21.17 arc(9.4,21.19) 9.44,21.2 9.86,21.2 arc(9.9,21.19) 9.93,21.17 10.07,21.03 arc(10.09,21) 10.1,20.96 10.1,20.74 arc(10.09,20.7) 10.07,20.67 10.03,20.63 arc(10,20.61) 9.96,20.6 9.94,20.6 arc(9.9,20.61) 9.87,20.63 9.7,20.8
